# Allegro board RK3576_TEMPLATE_LP4XD200P132SD6_24X34_2133MHz_H1R0_V11_20240529YWQ.brd (continued)
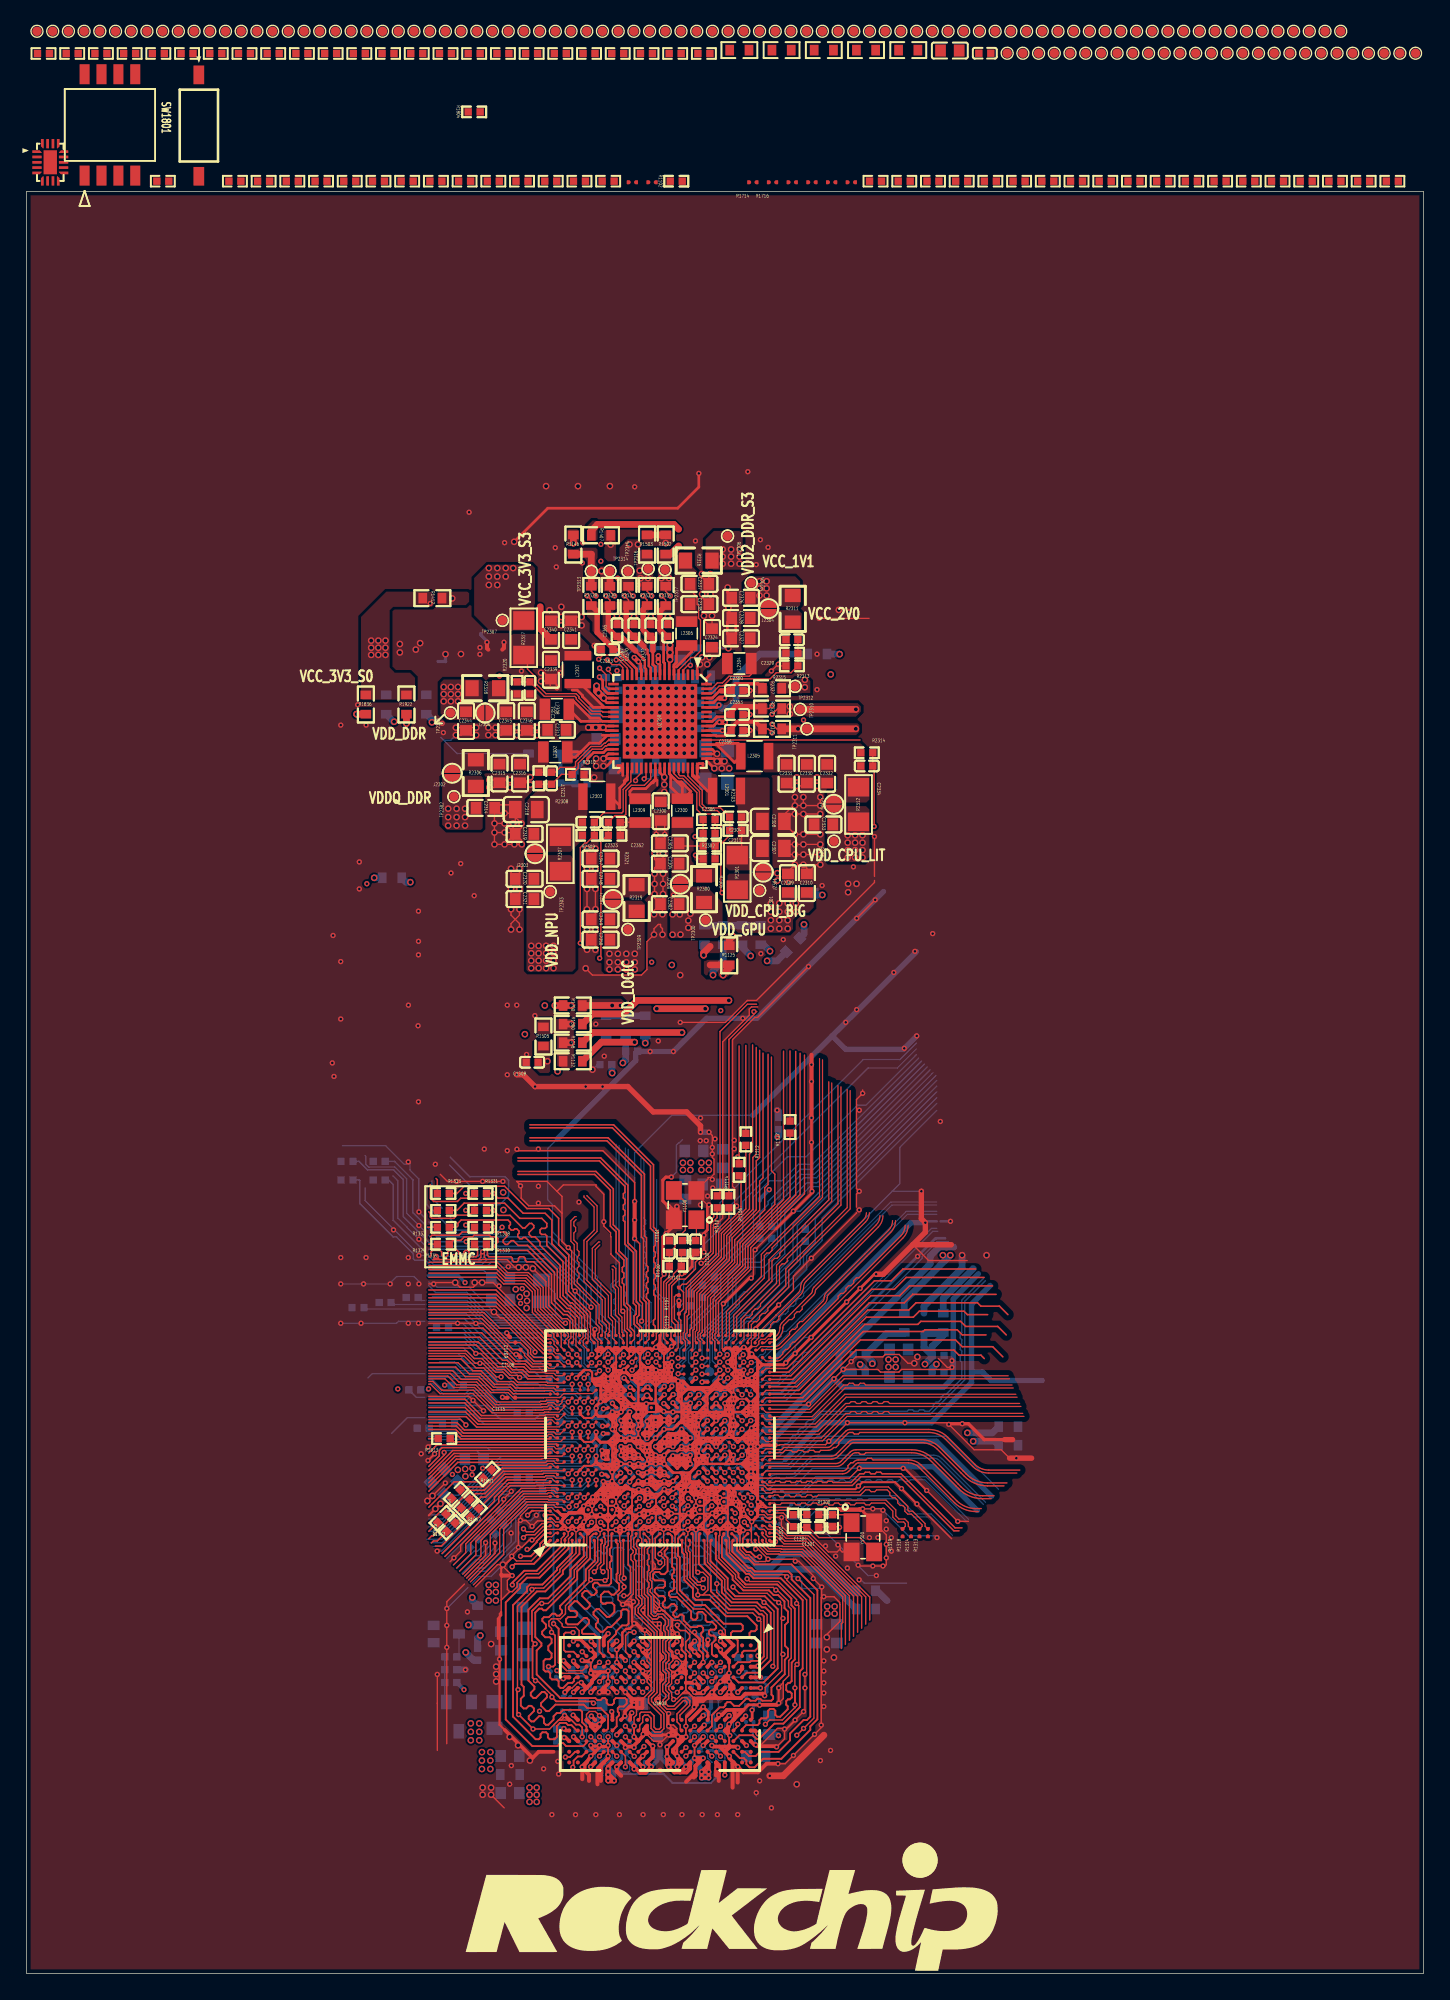
[diagram p0: board, top side]
## Routing (per net, layer and track width the routed paths; a pad name or vN(x,y) marks a point on that pad's centre or on a via; arc(x,y) is an arc through that point) (continued)
GPIO1_A7: length 13.3
  TOP w0.089: U1000.1B24 40.76,47.13 40.76,47.6 40.93,47.77 40.93,48.22 40.85,48.3
  TOP w0.102: 40.85,48.3 40.85,49.03 40.66,49.22 40.26,49.22
  TOP w0.114: 40.26,49.22 39.26,50.23 39.26,52.38 38.14,53.5 37.61,53.5 37.5,53.62 37.5,53.76 37.38,53.88 37.1,53.88 36.98,53.77 36.98,53.61 36.87,53.5 36.64,53.5 36.53,53.61 36.53,53.77 36.41,53.88 34.76,53.88 34.65,53.99 34.65,54.76 R1335.1
GPIO1_B0: length 28.8
  TOP w0.114: v1(43.73,45.36) U1000.1F22
  BOTTOM w0.114: R1336.1 27.67,61.05 29.05,59.67 29.05,57.19 30.87,55.37 39.41,55.37 42.93,51.85 42.93,49.28 43.94,48.26 43.94,46.99 44.15,46.78 44.15,45.79 v1(43.73,45.36)
GPIO1_B2: length 29.3
  TOP w0.114: U1000.1F23 v1(43.73,46.56)
  BOTTOM w0.114: v1(43.73,46.56) 43.69,46.6 43.69,47.97 42.08,49.58 42.08,51.77 39.2,54.65 30.56,54.65 28.32,56.9 28.32,59.69 27.6,60.41 25.63,60.41 25,61.05 R1338.1
GPIO1_C1_D: length 1.2
  TOP w0.114: U1000.1B22 v1(40.72,45.96)
  BOTTOM w0.114: R1813.1 40.38,45.96 v1(40.72,45.96)
GPIO1_C2_U: length 12.6
  TOP w0.102: U1000.B29 39.92,48.12 39.02,49.02 39.02,49.02 38.23,49.8 38.23,51.32 37.48,52.08 35.92,52.08 35.35,52.65 30.24,52.65
GPIO1_C3_U: length 15.7
  TOP w0.102: U1000.1C23 v1(41.37,46.51)
  BOTTOM w0.102: 29.94,50.29 27.56,50.29 R1815.1 ; 30.24,50.29 33.15,50.29 34.73,48.71 39.25,48.71 41.37,46.58 v1(41.37,46.51)
GPIO1_C4_D: length 17.1
  TOP w0.102: U1000.1B23 v1(40.72,46.56)
  BOTTOM w0.102: v1(40.72,46.56) 39.5,47.79 39.5,48.14 39.14,48.5 34.65,48.5 33.19,49.96 30.24,49.96 ; 29.94,49.96 25.47,49.96 R1816.1
GPIO1_C5_D: length 12.9
  TOP w0.102: U1000.B28 39.92,47.55 39.65,47.83 39.65,48.07 38.03,49.69 38.03,51.24 37.43,51.84 35.87,51.84 35.36,52.34 30.24,52.34
GPIO1_C6_D: length 10.7
  TOP w0.102: 30.24,49.69 34.39,49.69 35.57,48.5 36.34,48.5 37.9,46.94 37.9,46.58 38.17,46.31 U1000.A26
GPIO1_C7_D: length 11.4
  TOP w0.102: U1000.1C22 v1(41.37,45.91)
  BOTTOM w0.102: R1819.1 31.77,48.51 32.77,48.51 33.9,47.38 37.07,47.38 38.08,46.36 38.73,46.36 39.48,45.61 41.06,45.61 v1(41.37,45.91)
GPIO1_D0_D: length 13.4
  TOP w0.102: 30.24,53.21 35.36,53.21 36.08,52.48 37.65,52.48 38.64,51.49 38.64,49.97 39.88,48.73 39.88,48.73 40.41,48.2 40.41,48.02 U1000.C29
GPIO1_D1_D: length 15.6
  TOP w0.102: U1000.1D22 42.48,45.91 v1(42.48,45.91)
  BOTTOM w0.102: v1(42.48,45.91) 42.3,45.91 42.13,46.08 42.13,47.15 40.89,48.39 40.52,48.39 39.59,49.32 34.98,49.32 33.1,51.2 30.75,51.2 30.24,51.71
GPIO1_D2_D: length 14.2
  TOP w0.102: U1000.1A24 40.2,47.08 40.2,48.12 38.44,49.89 38.44,51.41 37.56,52.28 36,52.28 35.35,52.93 30.24,52.93
GPIO1_D3_D: length 14.4
  TOP w0.089: 40.64,48.26 40.64,48.17 40.74,48.07 40.74,47.85 40.48,47.58 U1000.C28
  TOP w0.102: 40.64,48.26 38.84,50.06 38.84,51.57 37.73,52.69 36.17,52.69 35.39,53.47 30.24,53.47
GPIO1_D4_D: length 16.6
  TOP w0.102: U1000.1E21 v1(43.08,45.31)
  BOTTOM w0.102: v1(43.08,45.31) 42.19,45.31 41.73,45.78 41.73,46.77 41.25,47.24 41.03,47.24 39.36,48.91 34.82,48.91 33.13,50.59 30.24,50.59 ; 29.94,50.59 29.67,50.59 R1823.1
GPIO1_D5_D: length 15.9
  TOP w0.102: U1000.1E22 43.08,45.91 v1(43.08,45.91)
  BOTTOM w0.102: 30.51,50.9 33.12,50.9 34.9,49.11 39.48,49.11 40.71,47.88 41.02,47.88 41.93,46.97 41.93,45.86 42.21,45.58 42.75,45.58 43.08,45.91 v1(43.08,45.91)
GPIO2_B0_D: length 10.8
  TOP w0.089: U1000.B19 39.75,42.46 39.49,42.73 39.26,42.73 39.14,42.6
  TOP w0.102: 39.14,42.6 38.79,42.6 38.74,42.56 35.17,42.56 33.67,44.05 32.11,44.05 31.46,44.7 30.24,44.7
GPIO2_B1_D: length 11.5
  TOP w0.089: 39.07,42.81 39.18,42.92 39.63,42.92 39.82,42.73 40.06,42.73 40.26,42.93 40.26,43.09 U1000.1A18
  TOP w0.102: 39.07,42.81 38.71,42.81 38.66,42.76 35.26,42.76 33.76,44.26 32.33,44.26 31.67,44.91 30.24,44.91
GPIO2_C3_D: length 7.4
  TOP w0.114: U1000.A15 39.31,40.19 32.66,40.19 32.21,40.65
GPIO2_C4_D: length 8.8
  TOP w0.089: U1000.1A13 40.16,39.99 38.83,39.99 38.81,39.97
  TOP w0.114: R1913.1 32.09,39.97 38.81,39.97
GPIO2_C5_D: length 1.8
  TOP w0.102: U1000.1C15 v1(41.33,41.16)
  BOTTOM w0.114: R1914.1 40.17,41.52 40.97,41.52 v1(41.33,41.16)
GPIO2_C6_D: length 10.6
  TOP w0.089: U1000.1A14 40.11,40.54 39.81,40.54 39.64,40.72 39.16,40.72 39.07,40.62
  TOP w0.114: 39.07,40.62 32.84,40.62 32.32,41.15 30.24,41.15
GPIO2_C7_D: length 10
  TOP w0.089: U1000.B15 39.75,40.26 39.49,40.53 39.25,40.53 39.14,40.41
  TOP w0.114: 39.14,40.41 32.75,40.41 32.26,40.89 30.24,40.89
GPIO2_D0_D: length 10
  TOP w0.089: U1000.B16 39.83,40.9 39.08,40.9 39.04,40.86 38.96,40.86
  TOP w0.114: 30.24,41.4 32.37,41.4 32.91,40.86 38.96,40.86
GPIO2_D4_D: length 11.4
  TOP w0.102: U1000.1B13 v1(41.02,40.7)
  BOTTOM w0.102: R1920.1 30.49,40.77 32.38,40.77 32.51,40.64 40.97,40.64 v1(41.02,40.7)
GPIO2_D5_D: length 9.3
  TOP w0.102: U1000.1B15 v1(40.72,41.16)
  BOTTOM w0.102: v1(40.72,41.16) 40.46,40.89 32.6,40.89 R1921.1
GPIO2_D7_D: length 7.3
  BOTTOM w0.102: 30.24,43.11 33.1,43.11 33.42,43.43 34.46,43.43 35.5,42.4 36.65,42.4 R1949.2
GPIO3_A2_D: length 11.2
  TOP w0.089: U1000.1A20 40.36,44.39 39.18,44.39 39.12,44.45
  TOP w0.102: 39.12,44.45 36.93,44.45 36.62,44.76 36.27,44.76 35.83,45.2 35.26,45.2 34.23,46.22 33.67,46.22 33.08,46.81 30.24,46.81
GPIO3_A4_D: length 12.6
  TOP w0.102: U1000.1D13 v1(42.23,40.7)
  BOTTOM w0.102: v1(42.23,40.7) 41.89,40.36 40.79,40.36 40.79,40.37 32.28,40.37 32.08,40.56 30.24,40.56
GPIO3_A5_D: length 10.5
  TOP w0.114: U1000.A9 39.31,36.89 38.84,36.89 38.84,36.89 36.27,36.89 35.18,35.79 35.18,35.51 31.23,31.57
GPIO3_A6_D: length 11.4
  TOP w0.089: U1000.1A7 40.39,36.69 38.88,36.69 38.87,36.67
  TOP w0.114: 38.87,36.67 36.36,36.67 35.5,35.81 35.5,35.39 31.46,31.34
GPIO3_B0_D: length 10
  TOP w0.089: 38.85,39.74 38.91,39.8 39.83,39.8 U1000.B14
  TOP w0.114: 30.24,39.13 30.85,39.74 38.85,39.74
GPIO3_B3_D: length 7.5
  TOP w0.114: R1928.1 32.83,36.58 34.36,36.58 35.78,37.99 39.31,37.99 U1000.A11
GPIO3_B4_D: length 7.5
  TOP w0.089: 38.81,37.54 38.87,37.6 39.83,37.6 U1000.B10
  TOP w0.114: R1929.1 33.75,36.07 34.47,36.07 35.94,37.54 38.81,37.54
GPIO3_B5_D: length 10.3
  TOP w0.089: U1000.1A9 40.36,37.79 38.73,37.79 38.7,37.76
  TOP w0.114: 38.7,37.76 35.85,37.76 34.41,36.32 33.33,36.32 R1930.1
GPIO3_B6_D: length 5.3
  TOP w0.089: U1000.B11 39.75,38.06 39.49,38.33 39.22,38.33 39.1,38.21
  TOP w0.114: 39.1,38.21 35.3,38.21 R1931.1
GPIO3_C2_D: length 7
  TOP w0.089: 39.01,37.1 39.13,37.23 39.49,37.23 39.75,36.96 U1000.B9
  TOP w0.114: R1932.1 36.16,37.1 39.01,37.1
GPIO3_C3_D: length 9.8
  TOP w0.089: 38.94,37.32 39.04,37.42 39.64,37.42 39.81,37.24 40.41,37.24 U1000.1A8
  TOP w0.114: 38.94,37.32 36.02,37.32 34.52,35.81 34.18,35.81 R1933.1
GPIO3_C5_D: length 11.9
  TOP w0.102: U1000.1B9 v1(40.72,37.56)
  BOTTOM w0.102: v1(40.72,37.56) 40.56,37.72 35.98,37.72 31.25,32.99
GPIO3_D4_D: length 13.1
  TOP w0.102: U1000.1E12 v1(42.53,39.36)
  BOTTOM w0.102: 30.24,40.36 32,40.36 32.19,40.16 41.72,40.16 v1(42.53,39.36)
GPIO3_D6_D: length 13.8
  TOP w0.102: v1(41.63,38.9) U1000.1C10
  BOTTOM w0.102: 30.24,34.16 31.27,34.16 35.66,38.55 41.28,38.55 v1(41.63,38.9)
GPIO4_A2_D: length 7.5
  TOP w0.102: U1000.1D6 41.96,35.79 v1(41.93,35.77)
  BOTTOM w0.102: R1802.1 36,35.21 36.29,35.21 36.94,35.86 40.36,35.86 40.63,36.13 41.56,36.13 v1(41.93,35.77)
GPIO4_A3_D: length 7
  TOP w0.102: v1(41.37,35.8) 41.37,35.8 U1000.1C6
  BOTTOM w0.102: R1803.1 36.07,33.86 36.07,34.23 37.3,35.46 40.53,35.46 40.56,35.43 40.99,35.43 v1(41.37,35.8)
GPIO4_A4_D: length 12.1
  TOP w0.102: U1000.1C5 v1(41.33,35.17)
  BOTTOM w0.102: v1(41.33,35.17) 41.33,35.15 40.93,34.74 40.57,34.74 40.26,35.05 37.59,35.05 36.78,34.24 36.78,32.5 34.51,30.23 33.91,30.23 33.25,29.56
GPIO4_A5_D: length 8.5
  TOP w0.102: v1(40.72,35.76) U1000.1B6
  BOTTOM w0.102: v1(40.72,35.76) 40.63,35.66 37.12,35.66 34.13,32.67 R1806.1
GPIO4_A6_D: length 11.4
  TOP w0.102: U1000.1B5 40.79,35.22 v1(40.79,35.07)
  BOTTOM w0.102: v1(40.79,35.07) 40.62,35.07 40.44,35.26 37.48,35.26 36.43,34.21 36.43,33.62 35.81,33 35.81,32.24 34.43,30.86 33.91,30.86 32.93,29.88
GPIO4_A7_D: length 9.7
  TOP w0.102: U1000.A7 39.37,35.85 37.45,35.85 34.16,32.57 34.16,31.38 32.79,30.01
GPIO4_B3_D: length 11.1
  TOP w0.089: 39.05,36.26 39.11,36.32 39.64,36.32 39.81,36.14 40.34,36.14 U1000.1A6
  TOP w0.102: 32.33,30.47 33.4,31.55 33.4,32.38 37.28,36.26 39.05,36.26
GPIO4_C0_D: length 12
  TOP w0.102: 63.09,26.26 63.09,28.31 58.7,32.71 57.11,32.71 56.43,33.38 55.76,33.38 55.49,33.66 U1000.AK3
GPIO4_C2_D: length 11.3
  TOP w0.102: 62.79,25.95 62.79,28.33 58.61,32.5 57.02,32.5 56.42,33.11 U1000.AL2
GPIO4_C3_D: length 12.7
  TOP w0.102: U1000.1AE2 55.1,33.38 55.44,33.38 55.6,33.22 55.6,33 55.76,32.83 56.41,32.83 56.94,32.3 58.53,32.3 62.48,28.35 62.48,25.65
GPIO4_C4_D: length 11.5
  TOP w0.102: 63.4,26.56 63.4,28.29 58.78,32.91 57.19,32.91 56.51,33.59 55.95,33.59 U1000.AL3
GPIO4_C5_D: length 11.7
  TOP w0.102: U1000.AK1 55.33,32.43 55.83,31.93 56.74,31.93 56.78,31.89 58.36,31.89 61.87,28.38 61.87,25.04
GPIO4_C6_D: length 12.6
  TOP w0.102: U1000.1AE1 55.05,32.83 55.05,32.42 55.74,31.73 56.66,31.73 56.7,31.69 58.28,31.69 61.57,28.4 61.57,24.73
GPIO4_C7_D: length 12.4
  TOP w0.102: U1000.AJ1 54.77,32.41 55.66,31.53 56.58,31.53 56.62,31.49 58.19,31.49 61.37,28.31 61.37,26.39 61.26,26.29 61.26,24.43
HDMI_TX/EDP_TX_AVDD1V8: length 54
  TOP w0.229: U1000.2P10 v1(51.85,42.86) U1000.2N10
  L4-SIG w0.089: 53.93,43.18 53.67,43.18 ; 53.93,43.18 54.12,42.99 ; 53.93,43.18 54.32,43.18 ; 53.67,43.18 53.28,43.18 ; 53.67,43.18 53.48,42.99 ; 54.32,43.18 54.13,42.99 ; 54.32,43.18 54.73,43.18 55.05,42.86 ; 54.12,42.99 54.12,42.72 ; 53.47,42.99 53.47,42.72 ; 53.47,42.99 53.28,43.18 ; 53.48,42.72 53.67,42.53 ; 53.47,42.72 53.28,42.53 ; 54.13,42.72 54.32,42.53 ; 54.12,42.72 53.93,42.53 ; 52.37,43.18 52.63,43.18 ; 52.37,43.18 51.94,43.18 51.85,43.09 v1(51.85,42.86) ; 52.37,43.18 52.04,42.86 52.03,42.86 ; 52.63,43.18 53.02,43.18 ; 52.63,43.18 52.82,42.99 ; 53.28,43.18 53.02,43.18 ; 53.02,43.18 52.83,42.99 ; 52.83,42.72 53.02,42.53 ; 52.82,42.72 52.82,42.99 ; 52.82,42.72 52.63,42.53
  L4-SIG w0.102: 55.05,42.86 54.72,42.53 52.36,42.53 ; 52.36,42.53 51.95,42.53 51.85,42.63 v1(51.85,42.86) 52.03,42.86 52.36,42.53
  L4-SIG w0.508: 55.05,42.86 59.62,47.42 59.62,68.65 58.42,69.85 58.42,72.52 v2(54.45,76.5)
  BOTTOM w0.305: 51.82,42.86 C1602.1 51.78,42.33 C1603.1 52.17,42.54 v1(51.85,42.86) 51.82,42.86
  BOTTOM w0.508: R1602.1 53.79,77.15 v2(54.45,76.5)
HDMI_TX_D0N: length 14.5
  TOP w0.089: U1000.AK27 55.37,46.9 56.25,46.9 arc(56.53,46.96) 56.77,47.12 60.02,50.37 arc(60.15,50.57) 60.2,50.8 arc(60.22,50.92) 60.29,51.03 63.18,53.92 64.97,55.71 arc(65.24,56.11) 65.34,56.59
HDMI_TX_D0P: length 14.9
  TOP w0.089: U1000.1AE24 54.95,46.86 55.21,47.13 56.25,47.13 arc(56.45,47.17) 56.61,47.28 57.37,48.03 57.37,48.22 57.57,48.42 57.76,48.42 57.95,48.62 57.95,48.81 58.15,49.01 58.34,49.01 59.86,50.52 arc(59.94,50.65) 59.97,50.8 arc(60.02,51.01) 60.14,51.19 63.02,54.07 64.81,55.86 arc(65.03,56.2) 65.11,56.59
HDMI_TX_D1N: length 13.3
  TOP w0.089: U1000.AL28 55.93,47.47 56.02,47.47 arc(56.21,47.51) 56.38,47.62 56.58,47.82 arc(56.79,48.13) 56.87,48.51 56.87,48.55 arc(56.89,48.67) 56.95,48.76 57.35,49.16 57.54,49.16 57.74,49.36 57.74,49.55 57.93,49.74 58.12,49.74 58.32,49.94 58.32,50.13 59.18,50.99 arc(59.27,51.13) 59.31,51.31 arc(59.32,51.38) 59.36,51.44 64.03,56.11 arc(64.3,56.5) 64.39,56.97
HDMI_TX_D1P: length 13.4
  TOP w0.089: U1000.AK28 55.5,47.41 55.78,47.69 56.02,47.69 arc(56.13,47.71) 56.22,47.78 56.42,47.97 arc(56.58,48.22) 56.64,48.51 56.64,48.55 arc(56.68,48.75) 56.8,48.92 59.02,51.14 arc(59.07,51.22) 59.09,51.31 arc(59.12,51.47) 59.21,51.6 63.87,56.27 arc(64.09,56.59) 64.17,56.97
HDMI_TX_D2N: length 12.7
  TOP w0.089: U1000.AK29 55.33,48.15 55.54,48.37 55.73,48.37 55.95,48.58 55.95,48.77 56.16,48.99 56.35,48.99 56.57,49.2 56.57,49.39 58.2,51.02 arc(58.36,51.27) 58.42,51.56 arc(58.47,51.82) 58.61,52.03 63.09,56.51 arc(63.3,56.82) 63.37,57.19
HDMI_TX_D2P: length 13.2
  TOP w0.089: U1000.AJ28 54.77,47.5 55.04,47.77 55.04,48.19 56.34,49.49 58.04,51.18 arc(58.16,51.36) 58.2,51.56 arc(58.26,51.9) 58.46,52.19 62.93,56.66 arc(63.09,56.91) 63.15,57.19
HDMI_TX_D3N: length 15.6
  TOP w0.089: U1000.AK26 55.59,46.04 56.42,46.04 arc(56.63,46.08) 56.8,46.2 65.88,55.28 arc(66.18,55.72) 66.28,56.25
HDMI_TX_D3P: length 15
  TOP w0.089: U1000.AL26 55.92,46.26 56.42,46.26 arc(56.54,46.29) 56.64,46.36 56.86,46.57 56.86,46.7 57.07,46.91 57.2,46.91 57.41,47.13 57.41,47.25 57.63,47.47 57.76,47.47 61.02,50.73 61.02,50.92 61.22,51.12 61.41,51.12 61.61,51.32 61.61,51.51 61.8,51.71 61.99,51.71 62.19,51.9 62.19,52.09 62.39,52.29 62.58,52.29 65.72,55.44 arc(65.97,55.81) 66.06,56.25
HDMI_TX_HPDIN_M0: length 12.1
  TOP w0.102: U1000.AK2 55.33,32.95 55.6,32.67 55.6,32.45 55.91,32.13 56.83,32.13 56.86,32.1 58.44,32.1 62.18,28.36 62.18,25.34
HDMI_TX_REXT/EDP_TX_REXT: length 1
  TOP w0.102: U1000.1AA20 v1(52.72,44.76)
  BOTTOM w0.089: v1(52.72,44.76) 53.18,44.76 R1600.1
HDMI_TX_SBDN: length 19.8
  TOP w0.089: U1000.2U12 v1(54.45,43.51)
  BOTTOM w0.089: 68.53,55.79 68.13,55.79 56.57,44.23 54.83,44.23 54.45,43.84 v1(54.45,43.51)
HDMI_TX_SBDP: length 20.8
  TOP w0.089: U1000.2T12 v1(53.8,43.51)
  BOTTOM w0.089: v1(53.8,43.51) 53.88,43.59 54.08,43.79 54.08,43.98 54.28,44.18 54.47,44.18 54.74,44.45 55.22,44.45 55.36,44.58 55.64,44.58 55.77,44.45 56.48,44.45 56.67,44.65 56.67,44.84 56.87,45.04 57.06,45.04 57.63,45.61 57.63,45.8 57.83,46 58.02,46 58.33,46.31 58.33,46.5 58.53,46.7 58.72,46.7 68.04,56.02 68.44,56.02
I2C0_SCL_M1_TP: length 23.9
  TOP w0.089: U1000.AB28 50.92,47.5 50.66,47.77 50.66,48.07 50.8,48.21 50.8,48.31
  TOP w0.102: 55.75,69.1 55.75,59.31 55.5,59.05 55.5,57.4 53.24,55.15 53.24,53.45 50.8,51 50.8,48.31
I2C0_SDA_M1_TP: length 24.4
  TOP w0.089: U1000.1V24 50.64,46.88 50.64,47.52 50.47,47.69 50.47,48.16 50.6,48.29
  TOP w0.102: 50.6,48.29 50.6,51.09 53.04,53.53 53.04,55.3 55.12,57.38 55.12,59.56 55.37,59.82 55.37,69.19
I2C1_SCL_M0_RK806: length 27.1
  TOP w0.102: v1(43.67,98.76) 44.03,98.4 44.61,98.4 44.82,98.18 U2300.17
  BOTTOM w0.102: R1122.2 50.82,52.24 53.85,55.27 53.85,58.04 57.21,61.4 58.61,61.4 62.48,65.28 63.11,65.28 66.91,69.08
I2C1_SDA_M0_RK806: length 30.2
  TOP w0.102: U2300.15 45.52,98.06 44.48,99.11 43.32,99.11 v1(43.02,98.8)
  BOTTOM w0.102: R1123.2 49.93,52.09 52.96,55.12 52.96,57.77 63.26,68.07 65.47,68.07 66.91,69.51
I2C3_SCL_M0_AUDIO: length 10.6
  TOP w0.089: 39.13,35.21 39.13,35.22 39.64,35.22 39.81,35.04 40.24,35.04 U1000.1A4
  TOP w0.102: 39.13,35.21 38.96,35.21 38.95,35.22 37.68,35.22 35.87,33.42 35.87,31.49 33.59,29.21
I2C3_SDA_M0_AUDIO: length 10.7
  TOP w0.089: U1000.B8 39.83,36.5 39.02,36.5 38.98,36.46
  TOP w0.102: 38.98,36.46 37.2,36.46 33.02,32.29 33.02,31.63 32.09,30.71
I2C4_SCL_M3_MIPI_CSI0: length 14.8
  TOP w0.102: U1000.1E9 v1(42.53,37.56)
  BOTTOM w0.102: v1(42.53,37.56) 41.94,38.14 35.82,38.14 31.27,33.58 30.24,33.58
I2C4_SDA_M3_MIPI_CSI0: length 12.4
  TOP w0.102: U1000.1D12 v1(41.93,39.36)
  BOTTOM w0.102: v1(41.93,39.36) 41.53,39.75 41.53,39.75 41.32,39.96 31.88,39.96 31.71,40.13 30.24,40.13
I2C5_SCL_M3_MIPI_CSI1: length 14.2
  TOP w0.102: U1000.1D9 v1(41.93,37.56)
  BOTTOM w0.102: 30.24,33.25 31.22,33.25 35.89,37.92 41.56,37.92 v1(41.93,37.56)
I2C5_SDA_M3_MIPI_CSI1: length 13.1
  TOP w0.102: U1000.1B10 v1(41.02,38.9)
  BOTTOM w0.102: 30.24,34.47 31.29,34.47 35.68,38.86 40.99,38.86 v1(41.02,38.9)
I2C7_SCL_M1_SENSOR: length 14.7
  TOP w0.102: U1000.1D16 v1(42.23,42.5)
  BOTTOM w0.102: 30.24,43.31 33.02,43.31 33.34,43.64 34.55,43.64 35.58,42.61 40.32,42.61 40.79,42.14 41.87,42.14 v1(42.23,42.5) ; R1916.2 29.3,43.31 29.94,43.31
I2C7_SDA_M1_SENSOR: length 12
  TOP w0.102: U1000.1B18 v1(40.72,42.96)
  BOTTOM w0.102: 30.24,44.62 30.54,44.62 31.37,43.79 32.41,43.79 R1917.2 34.65,44.22 35.18,43.69 35.94,43.69 36.62,43.01 40.67,43.01 v1(40.72,42.96)
I2C8_SCL_M2_MIPI_CSI3: length 10
  TOP w0.102: U1000.A21 39.35,43.58 36.58,43.58 36.29,43.87 35.01,43.87 34.01,44.86 32.99,44.86 32.26,45.59 30.24,45.59
I2C8_SDA_M2_MIPI_CSI3: length 10.7
  TOP w0.089: 38.95,43.8 38.97,43.83 39.49,43.83 39.75,43.56 U1000.B21
  TOP w0.102: 38.95,43.8 36.65,43.8 36.38,44.07 35.11,44.07 34.11,45.07 33.29,45.07 32.45,45.91 30.24,45.91
I2C_MODE_SEL: length 4.3
  TOP w0.102: U2300.18 44.12,97.55 43.74,97.93 v1(43.74,98.04)
  BOTTOM w0.102: R2324.2 45.71,99.63 44.37,98.3 44,98.3 v1(43.74,98.04)
LCD_BL_PWM1_CH1_M0: length 23.8
  TOP w0.102: 58.49,69.04 58.49,58.61 54.45,54.57 54.45,52.93 52.02,50.51 U1000.AD29
LCD_PWREN_H: length 29.4
  TOP w0.102: U1000.1Y21 v1(52.12,45.36)
  BOTTOM w0.102: 68.44,67.14 57.62,56.33 57.62,53.65 51.57,47.59 51.57,46.05 52.12,45.49 v1(52.12,45.36)
LPDDR4_A0_A: length 16.5
  TOP w0.114: v1(48.92,26.18) 48.92,26 49.14,25.78 49.55,25.78 49.85,25.48 49.85,25.21 49.57,24.93 49.57,24.35 49.9,24.01 U3800.H2 ; U1000.T1 v1(47.62,32.2)
  BOTTOM w0.114: v1(48.92,26.18) 49.03,26.18 49.28,26.43 49.28,27 49.39,27.12 49.63,27.12 49.74,27.23 49.74,27.46 49.63,27.57 49.39,27.57 49.28,27.69 49.28,27.92 49.39,28.03 49.63,28.03 49.74,28.14 49.74,28.37 49.63,28.49 49.39,28.49 49.28,28.6 49.28,28.83 49.39,28.94 49.63,28.94 49.74,29.06 49.74,29.29 49.63,29.4 49.39,29.4 49.28,29.52 49.28,29.74 49.39,29.86 49.63,29.86 49.74,29.97 49.74,30.2 49.63,30.32 49.39,30.32 49.28,30.43 49.28,30.66 49.39,30.77 49.67,30.77 49.78,30.89 49.78,31.13 49.67,31.24 49.4,31.24 49.29,31.36 49.29,31.63 49.38,31.73 49.38,31.89 49.14,32.13 48.92,32.13 48.8,32.01 48.64,32.01 48.47,32.17 48.47,32.34 48.69,32.56 48.69,32.72 48.39,33.02 48.01,33.02 47.62,32.64 v1(47.62,32.2)
LPDDR4_A0_B: length 16.3
  TOP w0.114: U1000.L1 44.87,32.56 44.87,29.78 v1(44.93,29.72) ; U3800.R2 45.04,24.17 45.04,25.41 45.28,25.65 v1(45.67,25.65)
  BOTTOM w0.114: v1(45.67,25.65) 45.27,26.05 45.27,28.09 45.47,28.29 45.47,30.1 44.9,30.67 44.9,31.89 44.78,32 44.2,32 44.07,31.88 44.07,29.72 44.43,29.35 44.6,29.35 44.87,29.63 44.87,29.66 v1(44.93,29.72)
LPDDR4_A1_A: length 17.2
  TOP w0.114: v1(47.62,30.88) 47.27,31.23 47.27,32.7 U1000.1N1 ; U3800.J2 v1(48.92,24.19)
  BOTTOM w0.114: v1(48.92,24.19) 48.92,24.03 48.66,23.77 48.5,23.77 48.39,23.89 48.39,26.56 48.5,26.68 48.76,26.68 48.9,26.81 48.9,27.03 48.78,27.15 48.5,27.15 48.39,27.26 48.39,27.49 48.5,27.6 48.78,27.6 48.9,27.72 48.9,27.95 48.78,28.06 48.5,28.06 48.39,28.18 48.39,28.4 48.5,28.52 48.78,28.52 48.9,28.63 48.9,28.86 48.78,28.98 48.5,28.98 48.39,29.09 48.39,29.32 48.5,29.43 48.78,29.43 48.9,29.55 48.9,29.78 48.78,29.89 48.5,29.89 48.39,30 48.39,30.23 48.5,30.34 48.78,30.34 48.9,30.46 48.9,30.69 48.78,30.8 48.5,30.8 48.39,30.91 48.39,31.12 48.51,31.24 48.79,31.24 48.91,31.36 48.91,31.5 48.78,31.62 48.22,31.62 47.62,31.03 v1(47.62,30.88)
LPDDR4_A1_B: length 17.1
  TOP w0.114: U3800.P2 v1(45.68,24.19) ; v1(44.91,28.4) 45.19,28.4 45.4,28.61 45.4,30.54 45.23,30.71 45.23,33.05 U1000.1J1
  BOTTOM w0.114: v1(44.91,28.4) 44.5,28.4 44.32,28.58 44.32,28.83 44.07,29.08 42.98,29.08 42.87,28.97 42.87,28.43 42.98,28.31 43.95,28.31 44.07,28.2 44.07,27.97 43.95,27.86 43.29,27.86 43.18,27.74 43.18,27.56 43.88,26.86 44.04,26.86 44.45,27.27 44.61,27.27 44.77,27.11 44.77,26.95 44.36,26.54 44.36,26.38 45.21,25.53 45.21,24.65 v1(45.68,24.19)
LPDDR4_A2_A: length 17.8
  TOP w0.114: v1(48.57,34) 48.57,34 U1000.1R3 ; U3800.H9 v1(50.22,18.59)
  L4-SIG w0.089: v1(48.57,34) 48.88,33.7 48.88,33.13 48.72,32.97 48.72,26.97 49.27,26.42 49.27,19.54 49.52,19.29 49.65,19.29 49.85,19.49 49.98,19.49 50.11,19.36 50.11,19.23 49.91,19.03 49.91,18.9 v1(50.22,18.59)
LPDDR4_A2_B: length 18.5
  TOP w0.114: v1(45.03,18.59) U3800.R9 ; U1000.1J3 v1(44.93,33.96)
  L4-SIG w0.089: v1(44.93,33.96) 44.93,33.85 45.28,33.5 45.28,33.21 45.97,32.51 45.97,29.21 46.74,28.45 46.74,26.04 46.83,25.95 46.83,25.95 46.92,25.85 46.92,20.96 46.35,20.4 46.35,19.05 46.25,18.95 45.12,18.95 45.03,18.85 v1(45.03,18.59)
LPDDR4_A3_A: length 19.5
  TOP w0.114: U1000.1T2 v1(49.72,33.96) ; U3800.H10 v1(50.22,17.79)
  L4-SIG w0.089: v1(50.22,17.79) 50.41,17.79 50.92,18.29 51.11,18.29 51.32,18.51 51.32,20.3 51.04,20.59 50,20.59 49.67,20.91 49.67,26.65 49.12,27.21 49.12,32.81 49.37,33.06 49.37,33.61 v1(49.72,33.96)
LPDDR4_A3_B: length 19.4
  TOP w0.114: v1(45.03,17.79) U3800.R10 ; U1000.1G2 v1(44.33,33.96)
  L4-SIG w0.089: v1(45.03,17.79) 45.03,17.84 44.58,18.29 44.58,20.07 45.09,20.57 45.85,20.57 46,20.73 46,21.08 46,25.93 46.23,26.16 46.23,26.8 45.28,27.75 45.28,30.54 44.83,30.99 44.83,32.39 43.98,33.25 43.98,33.5 44.28,33.81 44.28,33.91 v1(44.33,33.96)
LPDDR4_A4_A: length 21
  TOP w0.114: U3800.H11 v1(49.58,16.34) ; U1000.1M5 46.77,35.21 v1(46.77,35.21)
  L4-SIG w0.089: v1(46.77,35.21) 47.12,34.86 47.12,30.61 47.93,29.8 47.93,17.78 48.66,17.05 48.86,17.05 v1(49.58,16.34)
LPDDR4_A4_B: length 22.9
  TOP w0.114: U3800.R11 v1(45.69,16.32) ; v1(43.17,35.11) 43.17,35.11 U1000.1F4
  L4-SIG w0.089: v1(45.69,16.32) 45.37,16.64 44.92,16.64 44.89,16.66 44.89,16.66 44.7,16.85 44.7,17.4 44.58,17.53 44.33,17.53 44.05,17.8 44.05,18.07 44.05,18.07 44.05,18.94 43.62,19.37 43.62,19.92 44.7,21 44.7,21.53 44.79,21.61 45.16,21.61 45.35,21.8 45.35,24.16 45.09,24.43 45.09,26.99 44.45,27.63 44.45,32.26 43.69,33.02 43.69,33.66 43.81,33.79 43.81,34.47 v1(43.17,35.11)
LPDDR4_A5_A: length 20.3
  TOP w0.114: U3800.J11 v1(49.57,16.99) ; U1000.1P5 v1(47.92,35.16)
  L4-SIG w0.089: v1(49.57,16.99) 49.16,17.4 48.87,17.4 48.62,17.65 48.62,19.94 48.32,20.24 48.32,32.32 47.5,33.15 47.5,34.73 v1(47.92,35.16)
LPDDR4_A5_B: length 20.9
  TOP w0.114: v1(46.42,17.06) 46.4,17.06 U3800.P11 ; v1(46.09,35.72) 46.09,35.72 45.83,35.46 U1000.1K5
  L4-SIG w0.089: v1(46.09,35.72) 45.72,35.35 45.72,33.66 46.48,32.89 46.48,29.46 47.23,28.71 47.23,26.13 47.38,25.98 47.38,20.87 47.13,20.62 47.13,18.56 46.74,18.16 46.74,17.38 v1(46.42,17.06)
LPDDR4_CKE0_A: length 18.3
  TOP w0.089: U1000.1N3 v1(47.89,33.99) ; U3800.J4 v1(48.92,21.93)
  BOTTOM w0.089: v1(48.92,21.93) 48.57,21.58 48.1,21.58 48.01,21.67 48.01,22.14 48.1,22.22 48.3,22.22 48.39,22.31 48.39,22.49 48.3,22.58 48.1,22.58 48.01,22.67 48.01,22.85 48.1,22.94 48.3,22.94 48.39,23.02 48.39,23.2 48.3,23.29 48.1,23.29 48.01,23.38 48.01,27.7 47.9,27.81 47.56,27.81 47.44,27.93 47.44,28.2 47.56,28.31 47.89,28.31 48.01,28.42 48.01,28.65 47.89,28.77 47.56,28.77 47.44,28.88 47.44,29.11 47.56,29.22 47.89,29.22 48.01,29.34 48.01,29.57 47.89,29.68 47.56,29.68 47.12,30.12 47.12,32.64 47.5,33.02 47.5,33.99 47.59,34.08 47.8,34.08 v1(47.89,33.99)
LPDDR4_CKE0_B: length 16.6
  TOP w0.089: U3800.P4 v1(46.33,21.94) ; U1000.1K2 v1(46.12,33.96)
  BOTTOM w0.089: v1(46.33,21.94) 46.91,22.52 46.91,22.92 46.82,23.01 46.82,24.05 46.65,24.22 46.65,24.42 46.82,24.59 46.82,25.35 46.7,25.47 46.34,25.47 46.1,25.71 46.1,26.04 46.3,26.24 46.3,26.64 46.19,26.76 46.06,26.76 45.97,26.67 45.85,26.67 45.72,26.8 45.72,27.43 45.97,27.69 46.22,27.69 46.34,27.8 46.34,28.29 46.22,28.41 45.94,28.41 45.85,28.5 45.85,28.77 45.94,28.86 46.22,28.86 46.34,28.98 46.34,29.3 46.21,29.42 45.94,29.42 45.85,29.51 45.85,30.22 45.27,30.8 45.27,31.79 45.97,32.5 45.97,33.81 v1(46.12,33.96)
LPDDR4_CKE1_A: length 19.1
  TOP w0.089: U1000.1N5 47.88,35.71 v1(47.88,35.72) ; U3800.J5 v1(48.92,21.13)
  BOTTOM w0.089: v1(47.88,35.72) 47.87,35.71 47.78,35.71 47.24,35.18 47.24,34.9 47.33,34.82 47.54,34.82 47.62,34.73 47.62,34.55 47.54,34.46 47.33,34.46 47.24,34.37 47.24,33.27 46.73,32.76 46.73,29.94 47.07,29.6 47.07,27.16 47.19,27.05 47.4,27.05 47.52,26.93 47.52,26.76 47.43,26.67 47.16,26.67 47.07,26.58 47.07,26.3 47.64,25.73 47.64,21.07 47.88,20.83 48.13,20.83 48.44,21.13 v1(48.92,21.13)
LPDDR4_CKE1_B: length 16.8
  TOP w0.089: U3800.P5 v1(46.33,21.14) ; U1000.1M3 46.77,34 v1(46.77,34)
  BOTTOM w0.089: v1(46.77,34) 46.77,34 46.37,33.6 46.37,32.08 46.25,31.97 45.96,31.97 45.85,31.85 45.85,31.62 45.96,31.51 46.25,31.51 46.37,31.4 46.37,31.17 46.25,31.05 45.96,31.05 45.85,30.94 45.85,30.71 45.96,30.6 46.25,30.6 46.37,30.48 46.37,29.79 46.73,29.42 46.73,26.15 47.25,25.63 47.25,22.06 46.93,21.74 46.93,21.62 47.1,21.45 47.1,21.32 46.98,21.2 46.85,21.2 46.68,21.37 46.56,21.37 v1(46.33,21.14)
LPDDR4_CLKN_A: length 19.4
  TOP w0.107: U3800.J9 49.15,18.36 49.15,18.67 48.9,18.91 48.9,19.09 48.9,19.09 48.9,19.51 49.64,20.25 49.64,20.4 49.53,20.51 49.39,20.51 48.75,19.87 48.15,19.87 47.87,20.15 47.87,20.56 48.06,20.75 48.06,20.97 47.83,21.19 47.83,21.73 48.07,21.97 48.07,22.54 47.85,22.76 47.85,23.4 48.07,23.62 48.07,23.94 47.83,24.18 47.83,25.04 48.04,25.24 48.04,25.65 47.9,25.79 47.9,26.12 48.04,26.26 48.04,26.5 47.74,26.8 47.56,26.8 47.4,26.63 47.06,26.63 46.74,26.95 46.74,28.23 46.46,28.51 46.46,31.98 46.63,32.15 46.63,32.45 U1000.P1
LPDDR4_CLKN_B: length 19.5
  TOP w0.107: U1000.N1 45.87,32.45 45.87,32.13 46.04,31.96 46.04,28.34 46.26,28.13 46.26,27.72 45.99,27.45 45.99,27.12 47.41,25.7 47.41,21.12 46.99,20.7 46.99,20.45 47.92,19.52 47.92,18.4 47.66,18.14 47.24,18.14 46.95,18.42 46.95,19.19 46.73,19.42 46.47,19.42 46.32,19.27 46.32,18.89 46.1,18.66 46.1,18.36 U3800.P9
LPDDR4_CLKP_A: length 19.4
  TOP w0.107: U3800.J8 49.13,19.18 49.13,19.42 49.87,20.16 49.87,20.49 49.62,20.74 49.3,20.74 48.65,20.09 48.25,20.09 48.09,20.24 48.09,20.47 48.28,20.66 48.28,21.06 48.06,21.29 48.06,21.64 48.3,21.88 48.3,22.63 48.07,22.86 48.07,23.3 48.3,23.53 48.3,24.03 48.06,24.27 48.06,24.94 48.26,25.15 48.26,25.75 48.13,25.88 48.13,26.03 48.26,26.16 48.26,26.6 47.84,27.02 47.47,27.02 47.3,26.86 47.15,26.86 46.96,27.05 46.96,28.32 46.68,28.6 46.68,28.94 46.8,29.06 46.8,29.36 46.68,29.48 46.68,30.2 46.8,30.31 46.8,30.62 46.68,30.74 46.68,31.04 46.8,31.16 46.8,31.46 46.68,31.58 46.68,31.88 46.85,32.06 46.85,32.63 U1000.1L1